# KiCad board 8851_HW-U1-VCU118_REV2-0_071417.kicad_pcb (continued)
## Routing (per net, layer and track width the routed paths; a pad name or vN(x,y) marks a point on that pad's centre or on a via; arc(x,y) is an arc through that point) (continued)
RLD3_C3_72B_DQ17: length 141.7
  TOP w0.15: v2(99.64,77.6) 100.13,77.11 ; U141.N8 v2(93.73,108.58)
  18_SIG6 w0.087: 105.6,89.52 105.6,89.19 104.07,87.66 104.07,87.06 103.97,86.95 103.38,86.95 103.09,86.66 103.09,86.15 103.27,85.97 103.93,85.97 104.07,85.82 104.07,84.29 103.78,84 103.38,84 103.09,84.29 103.09,84.79 102.9,84.98 102.3,84.98 102.1,84.78 102.1,83.3 101.82,83.01 101.41,83.01 101.12,82.73 101.12,82.32 100.83,82.03 100.42,82.03 100.13,81.74 100.13,81.33 99.85,81.05 99.44,81.05 99.15,80.76 99.15,80.35 98.86,80.06 98.45,80.06 98.17,79.77 98.17,79.37 97.88,79.08 97.47,79.08 97.18,78.79 97.18,77.4 97.47,77.11 97.91,77.11 98.17,76.85 98.17,76.41 98.45,76.12 98.86,76.12 99.15,75.84 99.15,75.43 98.86,75.14 98.45,75.14 98.17,74.85 98.17,74.44 98.45,74.16 98.86,74.16 99.15,74.44 99.15,74.85 99.44,75.14 99.85,75.14 100.13,75.43 100.13,75.84 99.85,76.12 99.38,76.12 99.15,76.35 99.15,77.82 99.42,78.09 99.55,78.09 99.64,77.99 v2(99.64,77.6) ; 95.8,106.75 95.8,107.02 95.9,107.12 96.59,107.12 96.74,106.98 96.89,106.83 97.1,106.83 97.25,106.97 97.4,107.12 97.58,107.12 97.75,107.3 97.75,107.55 97.65,107.65 96.19,107.65 96.04,107.8 96.04,107.95 95.89,108.1 95.68,108.1 95.53,107.95 95.53,107.8 95.38,107.65 95.22,107.65 95.12,107.55 95.12,107.2 94.92,107 94.4,107 94.27,107.13 94.27,107.86 93.73,108.41 v2(93.73,108.58)
  18_SIG6 w0.138: 95.8,106.75 96.05,106.5 96.32,106.5 96.55,106.28 96.55,105.85 96.77,105.62 97.09,105.62 97.32,105.85 97.32,106.28 97.55,106.5 98.39,106.5 98.61,106.28 98.61,106.2 98.84,105.97 99.16,105.97 99.39,106.2 99.39,106.28 99.61,106.5 100.55,106.5 101,106.95 101,107.27 100.6,107.68 100.6,108 100.82,108.22 101.14,108.22 101.55,107.82 101.87,107.82 102.09,108.04 102.09,108.36 101.69,108.77 101.69,109.09 101.91,109.31 102.23,109.31 102.64,108.91 102.96,108.91 103.2,109.16 103.2,109.56 102.71,110.06 102.71,110.28 103.54,111.12 103.54,112.1 102.93,112.71 102.93,116.63 103.29,116.99 103.29,117.48 102.67,118.1 102.07,118.1 101.73,117.77 101.73,117.11 101.59,116.97 101.28,116.97 101.1,117.14 101.1,118.81 101.4,119.11 102.24,119.11 102.5,119.37 102.5,119.95 102.1,120.35 101.47,120.35 101.22,120.6 101.22,121.4 101.74,121.91 101.74,122.62 101.48,122.88 101.21,122.88 100.95,123.13 100.95,123.65 101.17,123.88 101.94,123.88 102.08,123.74 102.08,123.29 102.22,123.15 102.63,123.15 102.77,123.29 102.77,123.74 102.9,123.88 103.33,123.88 105.22,121.97 106,121.97 106.85,121.12 106.85,120.93 106.35,120.43 106.35,120.23 106.64,119.94 106.83,119.94 107.34,120.44 107.53,120.44 108.14,119.83 108.14,118.96 108.01,118.82 107.25,118.82 107.11,118.68 107.11,118.27 107.25,118.13 108.01,118.13 108.14,117.99 108.14,117.58 108.01,117.44 107.25,117.44 107.11,117.31 107.11,116.89 107.25,116.76 108.01,116.76 108.14,116.62 108.14,116.13 107.91,115.89 107.48,115.89 107.25,115.67 107.25,115.35 107.48,115.12 107.91,115.12 108.14,114.89 108.14,114.54 107.73,114.12 107.73,113.8 108.14,113.39 108.14,112.99 107.73,112.58 107.73,112.26 108.14,111.84 108.14,111.45 107.73,111.03 107.73,110.71 108.14,110.3 108.14,109.46 107.52,108.84 107.2,108.84 106.92,109.12 106.6,109.12 106.37,108.89 106.37,108.57 106.65,108.29 106.65,107.97 105.54,106.86 105.54,106.36 105.32,106.13 104.78,106.13 104.55,105.91 104.55,105.59 104.78,105.36 105.32,105.36 105.54,105.14 105.54,104.31 103.76,102.53 103.41,102.53 102.55,101.67 101.53,101.67 101.37,101.52 101.37,101.01 101.19,100.82 100.74,100.82 100.49,101.07 100.49,101.94 100.09,102.34 99.76,102.34 99.58,102.16 99.58,100.94 100.29,100.24 100.29,99.57 100.14,99.43 99.78,99.43 99.52,99.17 99.52,98.65 99.78,98.4 100.03,98.4 100.29,98.14 100.29,96.81 101.41,95.69 101.41,94.94 101.58,94.78 104.09,94.78 105.6,93.27 105.6,89.52
RLD3_C3_72B_DQ18: length 139.4
  TOP w0.15: v2(97.67,78.59) 98.17,78.09 ; U141.D3 v2(87.82,118.43)
  16_SIG5 w0.087: v2(87.82,118.43) 87.82,118.14 87.33,117.65 87.33,117.23 87.07,116.97 85.69,116.97 85.45,116.73 ; 92.51,106.75 92.23,107.02 90.65,107.02 90.28,107.4 90.28,107.8 89.99,108.09 89.49,108.09 89.28,108.3 89.28,108.78 89,109.06 88.63,109.06 88.3,108.74 88.3,108.23 88.18,108.11 86.64,108.11 86.36,108.39 86.36,108.88 86.58,109.09 88.02,109.09 88.3,109.37 88.3,109.77 88.02,110.05 85.62,110.05 85.45,110.22 ; 85.45,116.19 85.65,115.99 86.02,115.99 86.33,115.67 86.33,115.09 86.54,114.89 87.21,114.89 87.35,115.02 87.35,115.8 87.53,115.97 88,115.97 88.3,115.67 88.3,115.28 88.3,115.28 88.3,115.04 88.45,114.89 89.2,114.89 89.35,114.74 89.35,114.53 89.2,114.38 88.73,114.38 88.58,114.23 88.58,113.96 88.43,113.81 88.22,113.81 88.07,113.96 88.07,114.23 87.92,114.38 87.48,114.38 87.33,114.23 87.33,113.32 87.62,113.03 87.99,113.03 88.3,112.72 88.3,112.71 88.31,112.7 88.31,112.32 88.03,112.03 87.63,112.03 87.33,111.73 87.33,111.33 87.07,111.06 85.64,111.06 85.45,111.25 ; v2(97.67,78.59) 98.19,79.1 98.21,79.08 98.86,79.08 99.15,79.37 99.15,79.46 99.15,80.76 99.44,81.05 99.73,81.05 99.73,81.05 99.85,81.05 100.13,81.33 100.13,81.45 100.13,88.81 100.43,89.11 100.74,89.11 100.99,88.86 100.99,88.28 101.18,88.09 101.76,88.09 102.1,87.74 102.1,87.09 101.96,86.95 101.41,86.95 101.12,86.66 101.12,86.26 101.41,85.97 101.65,85.97 101.82,85.97 102.1,85.68 102.1,85.27 101.82,84.98 101.69,84.98 101.41,84.98 101.12,84.69 101.12,84.29 101.41,84 101.82,84 102.1,83.71 102.1,83.3 101.82,83.01 101.82,83.01 101.41,83.01 101.12,82.73 101.12,82.32 101.41,82.03 101.82,82.03 102.1,81.74 102.1,80.35 101.82,80.06 101.63,80.06 101.63,80.06 100.42,80.06 100.39,80.02 100.13,79.77 100.13,79.42 100.13,79.37 100.42,79.08 100.48,79.08 101.82,79.08 102.1,78.79 102.1,78.38 101.82,78.09 101.67,78.09 100.42,78.09 100.41,78.08 100.33,78.08 100.13,77.88 100.13,75.43 99.85,75.14 99.66,75.14 99.44,75.14 99.15,75.43 99.15,75.48 99.15,77.8 98.86,78.09 98.45,78.09 98.17,77.8 98.17,77.64 98.17,74.44 97.88,74.16 97.47,74.16 97.18,74.44 97.18,74.67 97.18,74.91 96.95,75.14 96.49,75.14 96.2,75.43 96.2,75.84 96.49,76.12 96.98,76.12 97.18,76.33 97.18,76.94 97.01,77.11 95.34,77.11 95.21,77.23 95.21,77.8 95.5,78.09 97.02,78.09 97.18,78.26 97.18,79.77 96.89,80.06 96.49,80.06 96.2,80.35 96.2,81.74 95.91,82.03 95.69,82.03 95.5,82.03 95.21,82.32 95.21,87.19 94.99,87.41 94.66,87.41 94.51,87.56 94.51,87.77 94.66,87.92 94.99,87.92 95.14,88.07 95.14,88.39 95.38,88.63 95.59,88.63 96.09,88.14 96.3,88.14 96.45,88.29 96.45,88.5 95.95,88.99 95.95,89.2 96.2,89.45 96.2,89.52
  16_SIG5 w0.138: 96.2,89.52 96.2,90.1 97.53,91.42 97.53,91.57 97.75,91.8 97.79,91.8 98.02,92.03 98.02,92.35 97.79,92.57 97.75,92.57 97.53,92.8 97.53,93.12 97.75,93.34 97.79,93.34 98.02,93.57 98.02,93.89 97.79,94.12 97.75,94.12 97.53,94.34 97.53,94.66 97.75,94.89 97.79,94.89 98.02,95.12 98.02,95.44 97.79,95.66 97.75,95.66 97.53,95.89 97.53,96.17 97.28,96.42 97.28,98.45 97.5,98.68 97.79,98.68 98.01,98.91 98.01,99.23 97.79,99.45 97.5,99.45 97.28,99.68 97.28,101.5 97.05,101.73 96.89,101.73 96.66,101.96 96.66,102.28 96.89,102.5 97.05,102.5 97.34,102.79 97.34,103.11 95.33,105.12 95.33,106.1 94.98,106.45 94.54,106.45 94.32,106.22 94.32,105.99 94.09,105.76 93.77,105.76 93.55,105.99 93.55,106.22 93.32,106.45 92.81,106.45 92.51,106.75 ; 85.45,116.73 85.36,116.64 85.36,116.28 85.45,116.19 ; 85.45,110.22 85.31,110.36 85.31,110.64 84.36,111.59 84.36,111.73 84.06,112.04 83.69,112.04 83.41,112.33 83.41,113.73 83.66,113.98 84.09,113.98 84.36,113.71 84.36,112.63 85.38,111.61 85.38,111.32 85.45,111.25
RLD3_C3_72B_DQ19: length 140.2
  TOP w0.15: U141.E4 v2(88.81,117.44) ; 98.17,79.08 v2(97.67,79.57)
  16_SIG5 w0.087: v2(97.67,79.57) 98.17,80.06 98.17,80.92 98.3,81.05 98.86,81.05 99.15,81.33 99.15,87.79 99.51,88.15 99.51,88.94 100.1,89.52 ; v2(88.81,117.44) 89.3,117.94 89.3,118.63 89.59,118.92 91.96,118.92 92.3,118.58 92.3,112.37 91.96,112.03 91.56,112.03 91.27,111.74 91.27,110.35 91.56,110.06 93.95,110.06 94.22,110.34 94.22,120.58 94.54,120.9 95.05,120.9 95.2,120.75 95.2,110.37 95.52,110.05 95.98,110.05 96.2,110.28 96.2,112.32 96.2,116.77 96.38,116.95 96.9,116.95 97.17,116.68 97.17,110.18 97.3,110.05 97.86,110.05 98.17,110.36 98.17,122.45 97.98,122.64
  16_SIG5 w0.138: 97.98,122.64 97.41,123.21 97.41,123.77 97.83,124.19 97.83,124.48 97.7,124.61 96.01,124.61 95.87,124.75 95.87,125.03 96.01,125.16 97.7,125.16 97.83,125.3 97.83,127.86 98.25,128.28 104.57,128.28 107.83,125.02 107.83,109.86 107.27,109.3 106.24,109.3 105.76,108.82 105.76,105.17 101.65,101.06 101.65,97.27 101.33,96.95 101.33,91.48 100.1,90.25 100.1,89.52
RLD3_C3_72B_DQ20: length 137.3
  TOP w0.15: v2(95.71,80.55) 96.2,80.06 ; U141.C6 v2(90.78,119.41)
  16_SIG5 w0.087: 91.91,122.64 91.91,122.27 92.24,121.93 92.24,120.05 92.1,119.9 91.6,119.9 91.11,119.41 v2(90.78,119.41) ; v2(95.71,80.55) 95.71,80.27 96.2,79.77 96.2,79.36 95.91,79.08 95.91,79.08 95.5,79.08 95.21,78.79 95.21,78.38 95.22,78.38 94.93,78.09 94.52,78.09 94.23,77.8 94.23,76.41 94.52,76.12 94.93,76.12 95.21,75.84 95.21,75.51 95.21,75.43 95.5,75.14 95.59,75.14 95.91,75.14 96.2,74.85 96.2,74.53 96.2,74.44 96.49,74.16 96.57,74.16 96.89,74.16 97.18,73.87 97.18,73.7 97.18,73.7 97.18,73.46 97.47,73.17 97.71,73.17 97.71,73.17 97.88,73.17 98.17,72.88 98.17,72.48 98.45,72.19 99.03,72.19 99.15,72.31 99.15,73.02 99,73.17 98.64,73.17 98.64,73.17 98.45,73.17 98.17,73.46 98.17,73.87 98.45,74.16 100.83,74.16 101.12,73.87 101.12,73.37 101.32,73.17 103.63,73.17 103.63,73.17 103.91,73.17 104.07,73.33 104.07,73.97 103.89,74.16 103.55,74.16 103.33,74.16 103.09,74.4 103.09,74.5 103.09,74.5 103.09,74.67 103.09,74.85 103.38,75.14 103.55,75.14 103.55,75.14 104.77,75.14 105.06,75.43 105.06,75.84 104.77,76.12 103.5,76.12 103.5,76.12 103.38,76.12 103.09,76.41 103.09,76.82 103.38,77.11 103.68,77.11 103.78,77.11 104.07,77.4 104.07,77.91 104.25,78.09 104.88,78.09 105.06,78.27 105.06,89.52
  16_SIG5 w0.138: 105.06,89.52 105.06,90.26 105.42,90.62 105.42,91 105.29,91.14 105.1,91.14 104.96,91.27 104.96,91.69 105.1,91.82 105.29,91.82 105.42,91.96 105.42,95.67 104.7,96.4 104.7,98.11 104.43,98.38 104.01,98.38 103.83,98.57 103.83,99.11 104.07,99.36 105.88,99.36 106.33,99.82 106.33,100.64 106.07,100.9 105.53,100.9 105.38,101.05 105.38,101.36 105.59,101.57 105.98,101.57 106.33,101.92 106.33,103.33 107.53,104.52 107.85,104.52 108.67,103.69 108.99,103.69 109.22,103.92 109.22,104.24 108.55,104.91 108.55,105.97 110.28,107.71 110.28,121.07 109.52,121.83 109.52,125.75 105.17,130.1 103.37,130.1 101.55,131.93 101.32,131.93 101.09,131.7 101.09,131.25 100.87,131.03 100.55,131.03 100.32,131.25 100.32,131.7 100.09,131.93 99.5,131.93 98.72,132.7 95.39,132.7 95.17,132.93 95.17,133.56 94.93,133.79 94.61,133.79 94.39,133.57 94.39,132.93 94.17,132.7 93.85,132.7 93.62,132.93 93.62,133.32 93.4,133.55 93.08,133.55 92.85,133.32 92.85,132.93 92.56,132.63 90.46,132.63 90.25,132.84 90.25,134.33 90,134.58 89.62,134.58 89.44,134.4 89.44,130.36 89.9,129.9 89.9,127.9 90.3,127.5 90.3,125.17 91.91,123.57 91.91,122.64
RLD3_C3_72B_DQ21: length 135.1
  TOP w0.15: v2(94.72,81.54) 95.21,81.05 ; U141.C4 v2(88.81,119.41)
  16_SIG5 w0.087: 85.45,112.16 85.58,112.03 87.14,112.03 87.33,112.22 87.33,112.77 87.08,113.02 86.58,113.02 86.35,113.25 86.35,114.35 86.1,114.6 85.72,114.6 85.45,114.87 ; 85.45,117.94 87.04,117.94 87.33,118.22 87.33,118.63 87.62,118.92 88.05,118.92 88.55,119.41 v2(88.81,119.41) ; v2(94.72,81.54) 94.72,81.83 94.23,82.32 94.23,82.42 94.23,88.17 95.21,89.16 95.21,89.52 ; 82.28,116.78 82.24,116.81 81.81,116.81 81.5,117.12 81.5,117.49 81.19,117.8 80.83,117.8 80.52,118.11 80.52,118.47 80.21,118.78 79.84,118.78 79.53,119.09 79.53,119.46 79.23,119.77 78.86,119.77 78.58,120.05 78.58,121.7
  16_SIG5 w0.138: 82.28,116.78 82.55,116.51 82.55,114.92 83.04,114.43 83.04,114.11 82.85,113.92 82.78,113.92 82.55,113.7 82.55,112.63 83.2,111.98 83.2,111.4 83.55,111.05 84.3,111.05 84.84,110.51 84.84,110.16 85.33,109.67 85.33,108.37 86.01,107.69 87.09,107.69 87.59,107.19 89.48,107.19 90.28,106.4 91.63,106.4 92.08,105.95 92.08,105.55 92.87,104.75 94.75,104.75 96.02,103.48 96.02,98.86 95.8,98.64 95.8,96.82 96.72,95.89 96.72,91.8 95.21,90.29 95.21,89.52 ; 85.45,114.87 85.36,114.95 85.36,115.67 84.92,116.11 84.92,117.56 85.3,117.94 85.45,117.94 ; 78.58,121.7 78.58,121.99 78.22,122.35 78.22,127.86 78.67,128.31 78.67,129.05 77.7,130.03 72.8,130.03 71.35,131.47 71.35,133.93 71.54,134.12 71.74,134.12 71.88,133.98 71.88,131.9 72.97,130.81 74.89,130.81 75.03,130.94 75.03,133.63 75.24,133.84 75.58,133.84 75.72,133.7 75.72,130.94 75.86,130.81 76.27,130.81 76.41,130.94 76.41,132.33 76.55,132.47 76.96,132.47 77.09,132.34 77.09,130.94 77.23,130.81 78.34,130.81 79.52,129.62 81.25,129.62 81.42,129.45 81.42,125.91 81.29,125.77 79.64,125.77 79.5,125.64 79.5,124.5 79.73,124.28 80.97,124.28 81.15,124.09 81.15,123.77 80.88,123.5 79.73,123.5 79.5,123.28 79.5,122.58 80.56,121.52 81.34,121.52 81.72,121.13 81.72,119.4 82.03,119.1 82.34,119.1 82.75,118.69 82.75,117.83 83.35,117.22 83.35,115.41 84.75,114.01 84.75,113.22 84.92,113.05 84.92,112.69 85.45,112.16
RLD3_C3_72B_DQ22: length 137.2
  TOP w0.15: v2(93.74,80.55) 94.23,80.06 ; U141.C2 v2(86.84,119.41)
  16_SIG5 w0.087: 87.63,122.64 87.24,122.25 86.13,122.25 85.72,121.85 85.72,120.96 85.45,120.68 ; v2(86.84,119.41) 86.84,119.74 86.7,119.87 85.53,119.87 85.45,119.95 ; 82.28,109.83 82.18,109.92 81.81,109.92 81.5,110.23 81.5,110.6 81.19,110.91 80.83,110.91 80.52,111.22 80.52,111.58 80.21,111.89 79.84,111.89 79.53,112.2 79.53,114.11 79.68,114.26 80.03,114.26 80.17,114.41 80.17,114.62 80.03,114.77 79.68,114.77 79.53,114.92 79.53,116.59 79.31,116.81 78.86,116.81 78.55,117.12 78.55,117.55 78.31,117.8 77.88,117.8 77.57,118.11 77.57,118.47 77.26,118.78 76.89,118.78 76.58,119.09 76.58,119.46 76.27,119.77 75.91,119.77 75.63,120.05 75.63,122.2 74.97,122.85
  16_SIG5 w0.138: v2(93.74,80.55) 92.56,81.73 92.56,91.19 94.35,92.98 94.35,95.05 92.2,97.21 92.2,98.41 92.43,98.64 92.6,98.64 92.83,98.86 92.83,99.18 92.6,99.41 92.43,99.41 92.2,99.63 92.2,100.27 86.7,105.77 86.7,106.03 86.35,106.38 85.4,106.38 83.3,108.48 83.3,108.8 82.28,109.83 ; 87.63,122.64 87.63,124.32 86.45,125.5 86.45,133.53 85.91,134.06 83.74,134.06 81.74,136.06 78.91,136.06 78.59,136.38 78.59,137.34 78.37,137.56 78.05,137.56 77.82,137.34 77.82,136.38 77.59,136.15 77.27,136.15 77.05,136.38 77.05,138.04 76.8,138.29 76.48,138.29 76.27,138.09 76.27,136.38 76.05,136.15 75.73,136.15 75.5,136.38 75.5,138.04 75.25,138.29 74.93,138.29 74.73,138.09 74.73,136.38 74.4,136.05 70.53,136.05 70.2,136.38 70.2,136.75 69.97,136.97 69.65,136.97 69.52,136.84 69.52,136.47 69.14,136.09 67.69,136.09 66.55,137.23 66.55,138.5 65.7,139.35 65.05,139.35 64.75,139.06 64.75,137.65 65.1,137.3 65.1,136.18 64.38,135.46 63.04,135.46 61.94,134.36 61.94,132.63 63,131.58 65.05,131.58 67.25,129.38 70.53,129.38 71.33,128.58 71.33,126.5 74.97,122.85 ; 85.45,119.95 85.38,120.02 85.38,120.61 85.45,120.68
RLD3_C3_72B_DQ23: length 136.7
  TOP w0.15: v2(93.74,81.54) 94.23,81.05 ; U141.B5 v2(89.79,120.4)
  16_SIG5 w0.087: 85.45,118.92 87.04,118.92 87.33,119.21 87.33,119.7 87.53,119.9 88.99,119.9 89.48,120.4 v2(89.79,120.4) ; 76.61,121.65 76.61,120.05 76.89,119.77 77.26,119.77 77.6,119.43 77.6,119.06 77.88,118.78 78.24,118.78 78.55,118.47 78.55,118.11 78.86,117.8 79.23,117.8 79.53,117.49 79.53,117.1 79.83,116.81 80.21,116.81 80.55,116.47 80.55,112.17 80.83,111.89 81.19,111.89 81.5,111.58 81.5,111.22 81.81,110.91 82.19,110.91 82.28,110.82 ; v2(93.74,81.54) 93.6,81.54 92.94,82.19 92.94,88.39 93.22,88.67 93.22,89.52
  16_SIG5 w0.138: 76.61,121.65 76.61,122.11 76.85,122.35 76.85,123.62 76.64,123.83 75.78,123.83 75.63,123.97 75.63,124.23 76.89,125.49 76.89,125.81 76.67,126.03 76.35,126.03 75.05,124.74 74.69,124.74 74.47,124.97 74.47,125.25 75.93,126.71 75.93,126.95 75.71,127.17 75.51,127.17 74.32,125.97 72.8,125.97 71.85,126.92 71.85,129.19 70.49,130.55 67.12,130.55 65.42,132.25 63.23,132.25 62.58,132.9 62.58,134.1 63.29,134.81 63.92,134.81 64.06,134.68 64.06,134.14 64.29,133.91 64.81,133.91 65.09,134.19 65.09,135.09 65.33,135.33 66.72,135.33 67,135.05 67,134.02 67.15,133.88 67.71,133.88 67.9,134.06 67.9,135.28 68.04,135.41 81.31,135.41 83.22,133.5 83.22,127.12 84.61,125.73 85.47,125.73 85.7,125.51 85.7,125.19 85.47,124.96 85.23,124.96 85,124.73 85,124.41 85.23,124.19 86.7,124.19 86.95,123.94 86.95,123.62 86.75,123.41 85.23,123.41 85,123.19 85,121.95 85.22,121.72 85.22,121.38 84.34,120.49 84.34,119.19 84.65,118.88 85.41,118.88 85.45,118.92 ; 93.22,89.52 93.22,90.62 95.11,92.51 95.11,95.37 93.82,96.66 93.82,97.97 93.5,98.29 93.5,100.52 92.92,101.1 92.59,101.1 88.18,105.51 88.18,106.01 87.92,106.26 87.2,106.26 86.68,106.79 85.79,106.79 84.44,108.13 84.44,108.71 84.08,109.08 83.66,109.08 82.49,110.24 82.49,110.61 82.28,110.82
RLD3_C3_72B_DQ24: length 137.7
  TOP w0.15: v2(96.69,81.54) 97.18,81.05 ; U141.B3 v2(87.82,120.4)
  16_SIG5 w0.087: 96.9,89.52 96.87,89.49 96.87,88.31 96.2,87.64 96.2,87.55 96.2,82.32 96.69,81.83 v2(96.69,81.54) ; v2(87.82,120.4) 87.34,120.88 86.33,120.88 86.17,121.02 86.17,121.45 86.58,121.86 88.02,121.86 88.3,121.58 88.3,121.05 88.45,120.9 89,120.9 89.28,121.18 89.28,121.55 89.59,121.86 89.99,121.86 90.27,121.58 90.27,120.91 90.28,120.9 91.12,120.9 91.28,120.74 91.28,120.18 90.99,119.89 89.57,119.89 89.3,119.62 89.3,119.21 89.01,118.92 88.6,118.92 88.31,118.63 88.31,117.13 88.49,116.95 88.99,116.95 89.28,116.66 89.28,115.31 89.77,114.82 89.78,114.82 89.95,114.65 89.95,114.31 89.78,114.14 89.65,114.14 89.3,113.79 89.3,112.32 89.01,112.03 88.6,112.03 88.31,111.74 88.31,110.35 88.6,110.06 89.01,110.06 89.3,109.77 89.3,109.37 89.59,109.08 89.92,109.08 90.28,108.72 90.28,108.38 90.57,108.09 91.03,108.09 91.45,107.67 92.67,107.67 93.33,107.02 95.47,107.02 95.75,106.75
  16_SIG5 w0.138: 96.9,89.52 98.67,91.3 98.67,100.4 97.97,101.1 97.97,102.67 98.49,103.19 101.36,103.19 103.51,105.34 103.51,106.44 102.54,107.42 102.54,109.87 103.94,111.27 103.94,112.23 103.25,112.93 103.25,116.39 103.01,116.62 103.01,116.94 103.52,117.45 104.85,117.45 105.12,117.73 105.12,118.29 104.99,118.43 103.34,118.43 103.2,118.57 103.2,118.84 103.34,118.98 104.99,118.98 105.12,119.12 105.12,119.39 104.99,119.53 103.34,119.53 103.2,119.67 103.2,119.94 103.34,120.08 105.52,120.08 105.66,120.22 105.66,120.49 105.52,120.63 103.34,120.63 103.2,120.77 103.2,121.04 103.34,121.18 104.99,121.18 105.12,121.32 105.12,121.63 104.99,121.77 104.16,121.77 104.02,121.91 104.02,122.18 104.16,122.32 105.2,122.32 105.34,122.46 105.34,122.74 105.2,122.88 104.21,122.88 104.07,123.01 104.07,123.29 104.21,123.43 104.99,123.43 105.12,123.56 105.12,123.93 105.32,124.12 105.73,124.12 105.92,124.31 105.92,124.85 105.46,125.32 103.68,125.32 103.42,125.06 103.42,124.64 103.56,124.51 104.52,124.51 104.65,124.37 104.65,124.09 104.52,123.96 103.56,123.96 103.42,123.82 103.42,122.03 102.5,121.12 102.5,118.03 101.65,117.17 101.65,115.67 102.37,114.94 102.37,112.43 102.95,111.85 102.95,111.3 101.68,110.04 101.68,105.68 100.25,104.25 97.1,104.25 96.12,105.22 96.12,106.38 95.75,106.75
RLD3_C3_72B_DQ25: length 136.9
  TOP w0.15: U141.A6 v2(90.78,121.38) ; v2(95.71,81.54) 96.2,81.05
  16_SIG5 w0.087: 73.47,122.85 74.05,122.27 74.05,119.65 74.92,118.78 75.29,118.78 75.6,118.47 75.6,118.11 75.91,117.8 76.3,117.8 76.61,117.49 76.61,117.09 76.89,116.81 77.29,116.81 77.6,116.5 77.6,111.09 77.8,110.88 78.27,110.88 78.55,110.6 78.55,110.13 78.76,109.92 80.21,109.92 80.52,109.61 80.52,109.25 80.83,108.94 81.2,108.94 81.5,108.63 81.5,108.26 82.04,107.72 82.28,107.72 ; 92.9,78.09 93.98,78.09 94.23,78.34 94.23,78.79 94.52,79.08 94.97,79.08 95.21,79.32 95.21,81.05 v2(95.71,81.54)
  16_SIG5 w0.138: v2(90.78,121.38) 91.28,121.88 91.28,123.27 90.95,123.6 90.09,123.6 87.78,125.92 87.78,136.8 84.71,139.87 67.61,139.87 66.25,141.23 62.1,141.23 60.8,139.93 60.8,135.01 59.92,134.13 59.92,132.86 63.15,129.63 64.86,129.63 66.77,127.73 66.77,126.93 68.18,125.52 70.81,125.52 73.47,122.85 ; 92.9,78.09 92.62,78.09 90.62,80.09 90.62,91.16 92.84,93.37 92.84,94.42 91.84,95.42 91.46,95.42 89.61,97.27 89.61,100.91 87.07,103.45 86.6,103.45 82.33,107.72 82.28,107.72
RLD3_C3_72B_DQ26: length 139.3
  TOP w0.15: U141.A4 v2(88.81,121.38) ; v2(94.72,79.57) 95.21,79.08
  16_SIG5 w0.087: v2(94.72,79.57) 94.49,79.33 94.41,79.33 94.15,79.08 92.9,79.08 ; 74.2,122.85 74.64,122.41 74.64,120.05 74.92,119.77 75.29,119.77 75.6,119.46 75.6,119.09 75.91,118.78 76.27,118.78 76.58,118.47 76.58,118.11 76.89,117.8 77.26,117.8 77.57,117.49 77.57,117.12 77.86,116.82 78.23,116.82 78.55,116.5 78.55,114.86 78.4,114.71 78.1,114.71 77.95,114.56 77.95,114.35 78.1,114.2 78.4,114.2 78.55,114.05 78.55,111.09 78.76,110.88 80.24,110.88 80.52,110.6 80.52,110.23 80.83,109.92 81.19,109.92 81.5,109.61 81.5,109.25 81.81,108.94 82.24,108.94 82.28,108.9
  16_SIG5 w0.138: 82.28,108.9 82.53,108.65 82.53,108.37 86.69,104.21 87.38,104.21 90.92,100.66 90.92,99.72 91.15,99.5 91.3,99.5 91.53,99.27 91.53,98.95 91.3,98.72 91.15,98.72 90.92,98.5 90.92,97.03 91.77,96.18 92.15,96.18 93.59,94.74 93.59,93.13 91.39,90.92 91.39,88.56 91.88,88.07 91.88,87.53 91.39,87.04 91.39,86.5 91.88,86.01 91.88,85.47 91.39,84.98 91.39,84.27 91.62,84.05 91.7,84.05 91.92,83.82 91.92,83.5 91.7,83.27 91.62,83.27 91.39,83.05 91.39,82.73 91.62,82.5 91.7,82.5 91.92,82.28 91.92,81.96 91.7,81.73 91.62,81.73 91.39,81.5 91.39,80.36 91.64,80.11 91.96,80.11 92.56,80.7 92.87,80.7 93.1,80.47 93.1,80.15 92.51,79.56 92.51,79.24 92.67,79.08 92.9,79.08 ; v2(88.81,121.38) 88.81,121.81 88.45,122.17 88.45,122.93 88.81,123.3 88.81,123.99 87.03,125.77 87.03,134.63 86.42,135.23 86.42,137.21 86.14,137.49 85.69,137.49 85.47,137.28 85.47,135.1 85.15,134.78 84.42,134.78 84.03,135.17 84.03,135.36 84.16,135.5 84.33,135.5 84.54,135.71 84.54,136.02 84.31,136.25 83.82,136.25 83.57,136.5 83.57,138.81 83.03,139.36 67.35,139.36 66.2,140.5 63.9,140.5 63.46,140.06 63.46,138.01 61.6,136.15 61.6,134.91 61.31,134.62 61.31,132.37 62.93,130.75 64.9,130.75 66.8,128.85 69.71,128.85 69.85,128.71 69.85,127.2 74.2,122.85
RLD3_C3_72B_DQ27: length 143.4
  TOP w0.15: U141.J4 v2(88.81,112.52) ; 97.18,76.12 v2(96.69,76.62)
  14_SIG4 w0.087: 104.07,87.96 104.07,85.27 103.78,84.98 103.38,84.98 103.09,84.69 103.09,84.29 102.8,84 102.39,84 102.1,83.71 102.1,83.3 101.82,83.01 101.41,83.01 101.12,82.73 101.12,82.32 100.83,82.03 100.42,82.03 100.13,81.74 100.13,81.33 99.85,81.05 99.44,81.05 99.15,80.76 99.15,78.38 98.86,78.09 98.44,78.09 98.15,77.8 98.15,77.46 98.15,77.46 98.15,77.41 97.86,77.12 96.42,77.12 96.35,77.05 96.35,76.69 96.42,76.62 v2(96.69,76.62) ; 88.47,122.64 88.47,122.13 88.71,121.89 90.97,121.89 91.27,121.6 91.27,121.11 91.49,120.89 92.91,120.89 93.12,120.68 93.12,120.23 93.44,119.91 97.89,119.91 98.16,119.63 98.16,115.05 99.15,114.06 99.15,111.29 98.91,111.05 93.52,111.05 93.23,111.34 93.23,111.87 92.09,113.01 90.55,113.01 90.28,112.75 90.28,112.31 90,112.03 89.58,112.03 89.09,112.52 v2(88.81,112.52)
  14_SIG4 w0.138: 88.47,122.64 88.47,122.8 88.33,122.94 87.48,122.94 87.21,123.21 87.21,123.7 87.03,123.89 86.63,123.89 86.48,123.74 86.48,123.42 86.35,123.28 85.59,123.28 85.42,123.46 85.42,123.79 85.31,123.9 81.87,123.9 81.12,124.65 81.12,125.25 83.33,127.45 83.33,128.6 82.47,129.45 81.85,129.45 81.75,129.55 81.75,129.86 81.89,130 83.28,130 84.08,129.19 86.82,129.19 88.72,131.09 102.05,131.09 102.17,130.97 102.17,130.78 101.79,130.39 101.79,130.2 101.98,130 102.18,130 102.56,130.39 102.76,130.39 111.62,121.52 111.62,111.3 110.81,110.49 110.81,107.89 109.83,106.9 109.83,103.83 106.4,100.4 106.4,99.9 106.21,99.71 106.21,99.48 106.51,99.19 106.51,98.96 106.34,98.79 106.11,98.79 105.82,99.08 105.58,99.08 104.7,98.2 104.7,95.88 106.12,94.45 106.12,92.62 104.67,91.16 104.67,88.55 104.07,87.96
RLD3_C3_72B_DQ28: length 142.7
  TOP w0.15: 96.2,76.12 v2(95.71,76.62) ; U141.K3 v2(87.82,111.54)
  14_SIG4 w0.087: 85.45,122.31 85.56,122.2 85.57,122.2 87.75,122.2 88.31,121.64 88.31,121.11 88.54,120.89 90.97,120.89 91.27,120.59 91.27,120.13 91.49,119.91 92.27,119.91 93.25,118.92 96.87,118.92 97.17,118.62 97.17,115.26 98.15,114.28 98.15,112.2 97.98,112.03 93.52,112.03 93.24,112.32 93.24,112.71 91.95,114 90.58,114 90.28,113.71 90.28,113.31 89.99,113.02 88.49,113.02 88.3,112.83 88.3,112.3 87.82,111.82 v2(87.82,111.54) ; v2(95.71,76.62) 95.93,76.62 96.43,76.12 97.85,76.12 98.15,76.42 98.15,76.84 98.42,77.12 98.9,77.12 99.16,77.37 99.16,77.81 99.46,78.11 99.84,78.11 100.13,78.41 100.13,80.76 100.42,81.05 100.83,81.05 101.12,81.33 101.12,81.74 101.41,82.03 101.82,82.03 102.1,82.32 102.1,82.73 102.39,83.01 102.8,83.01 103.09,83.3 103.09,83.71 103.38,84 103.78,84 104.07,84.29 104.07,84.69 104.36,84.98 104.77,84.98 105.06,85.27 105.06,87.83
  14_SIG4 w0.138: 85.45,122.31 85.25,122.51 85.25,122.51 84.51,123.26 80.64,123.26 80.08,123.83 80.08,125.5 81.58,127 81.58,128.72 81.4,128.9 80.35,128.9 80.2,129.05 80.2,129.93 80.85,130.58 87.36,130.58 88.43,131.65 102.3,131.65 112.19,121.76 112.19,111.89 112.62,111.45 112.62,111.15 112.4,110.92 112.03,110.92 111.55,110.45 111.55,107.61 110.39,106.45 110.39,103.45 108.03,101.08 108.03,99.81 107,98.78 107,98.47 106.08,97.54 106.08,95.4 106.78,94.7 106.78,92.48 105.35,91.05 105.35,88.12 105.06,87.83
RLD3_C3_72B_DQ29: length 145
  TOP w0.15: 97.18,75.14 v2(96.69,75.63) ; U141.K1 v2(85.85,111.54)
  14_SIG4 w0.087: 106.04,87.94 106.04,85.36 105.67,84.98 105.38,84.98 105.06,84.65 105.06,84.29 104.77,84 104.37,84 104.07,83.7 104.07,83.39 103.69,83.01 103.36,83.01 103.09,82.74 103.09,82.33 102.78,82.03 102.38,82.03 102.1,81.76 102.1,81.34 101.81,81.05 101.41,81.05 101.12,80.76 101.12,78.32 100.87,78.07 100.43,78.07 100.42,78.06 100.4,78.06 100.14,77.81 100.14,77.41 99.82,77.09 99.45,77.09 99.44,77.08 99.43,77.08 99.13,76.78 99.13,76.42 98.85,76.15 98.5,76.15 98.18,75.82 98.18,75.47 97.85,75.14 97.18,75.14 v2(96.69,75.63) ; 85.45,121.86 87.01,121.86 87.33,121.54 87.33,120.19 87.61,119.91 91.01,119.91 91.27,119.65 91.27,119.21 91.55,118.92 92.36,118.92 93.33,117.95 93.99,117.95 94.22,117.71 94.22,117.24 94.51,116.95 94.92,116.95 95.21,116.66 95.21,116.25 95.5,115.95 95.89,115.95 96.18,115.66 96.18,115.27 97.17,114.28 97.17,113.29 96.9,113.01 93.52,113.01 93.24,113.3 93.24,113.49 92.42,114.31 90.31,114.31 90,114 85.66,114 85.37,113.71 85.37,112.02 v2(85.85,111.54)